# Altium PCB DemoCatV2.PcbDoc
Units mm, origin at the board's own origin, x right, y up, seen from the top; angles counter-clockwise.
Board outline 54 x 54 mm, 2 copper layers (Top Layer, Bottom Layer); 80 components, 79 nets, 366 pads, 240 vias.
Unrouted connection lines stored in the file: 70.
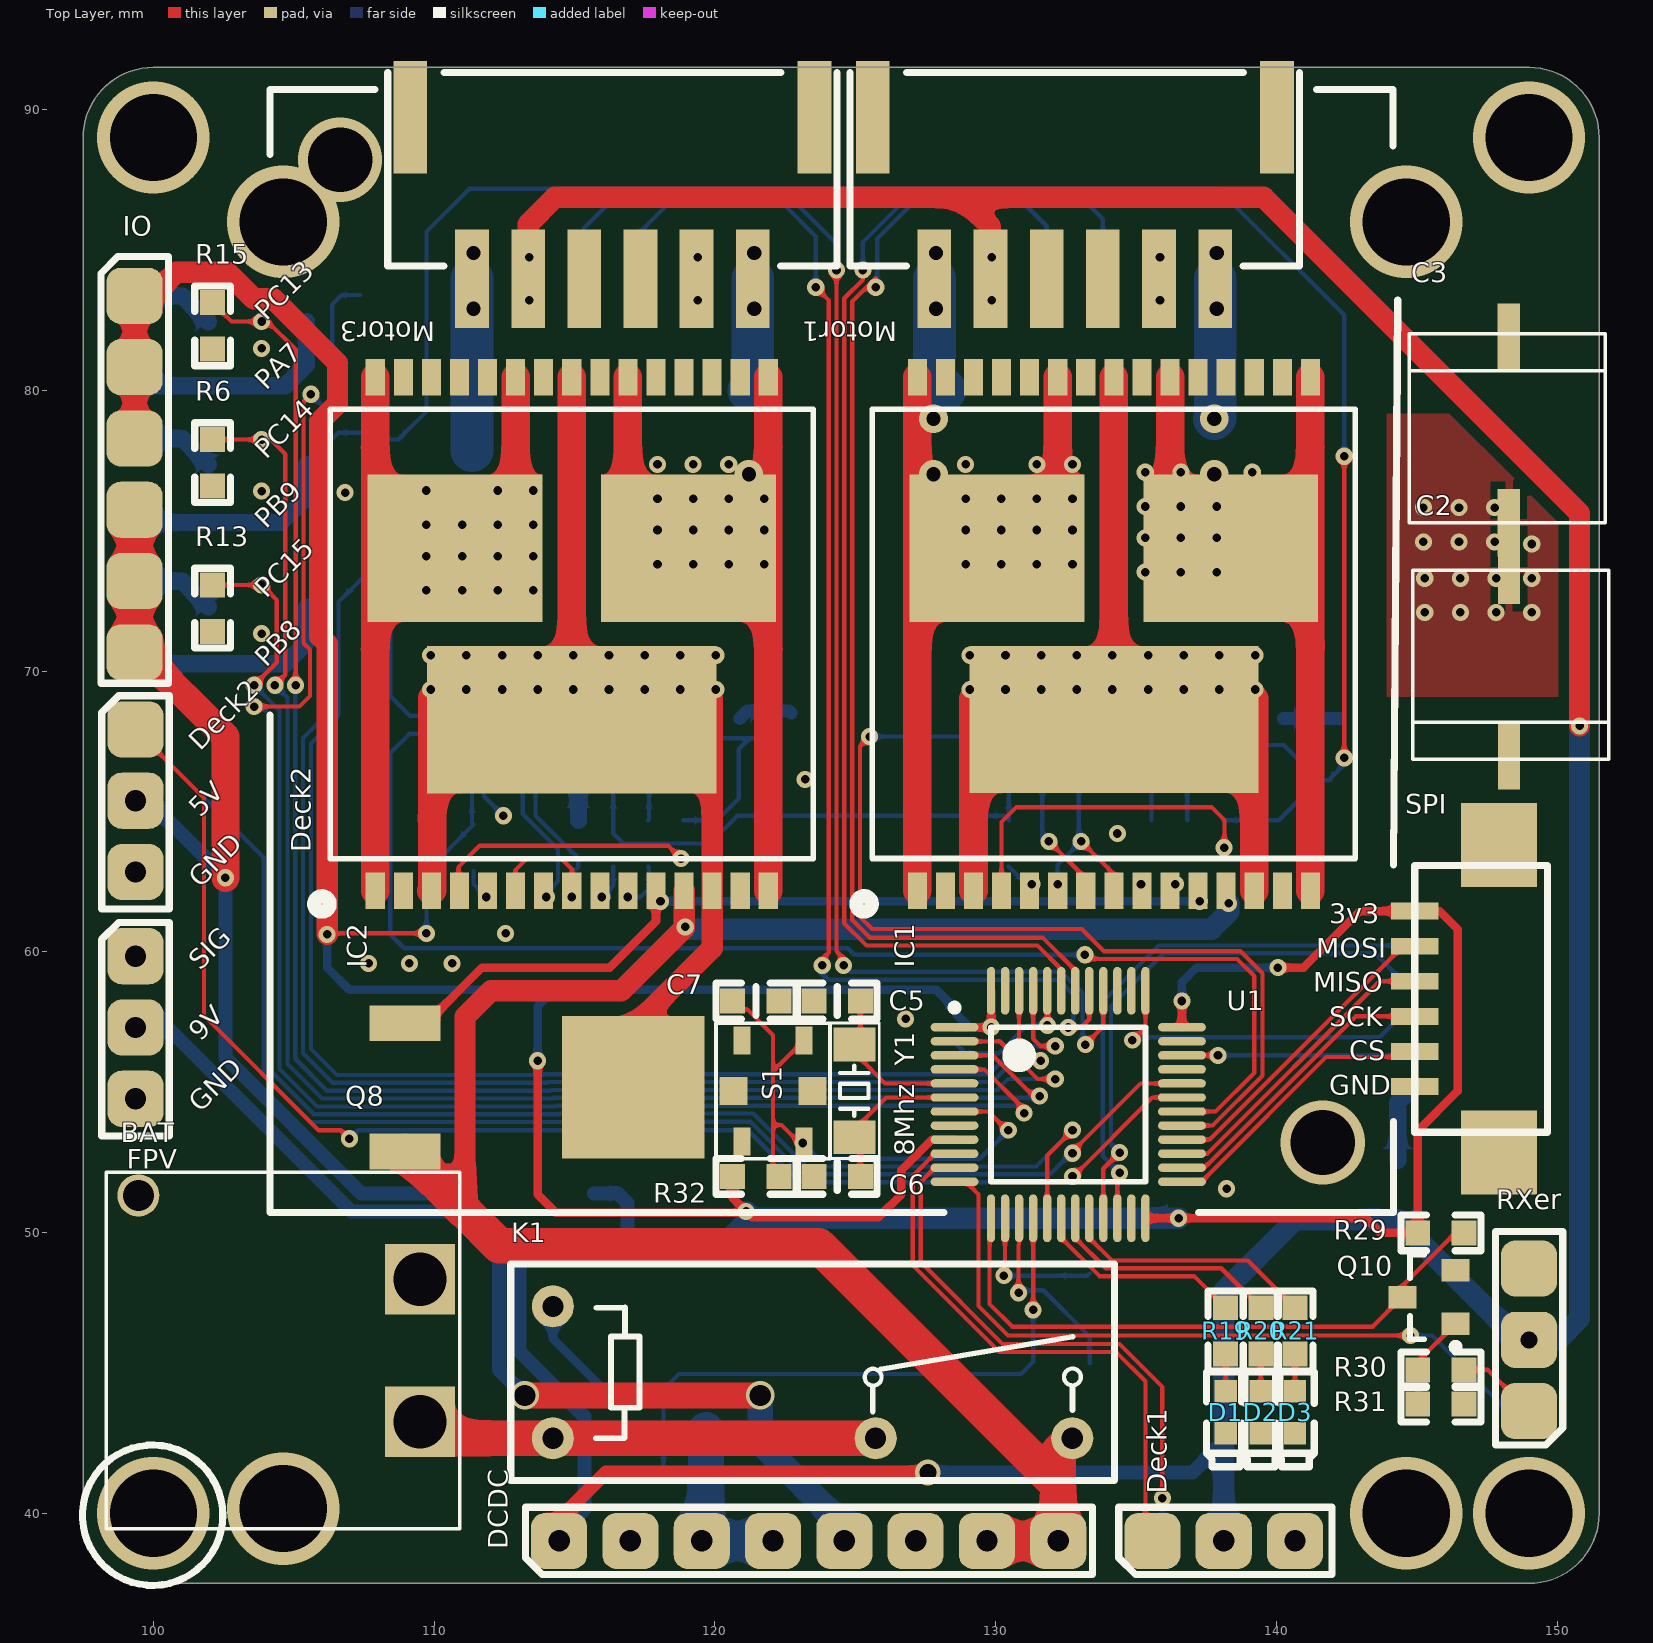
[diagram p0: Top Layer view]
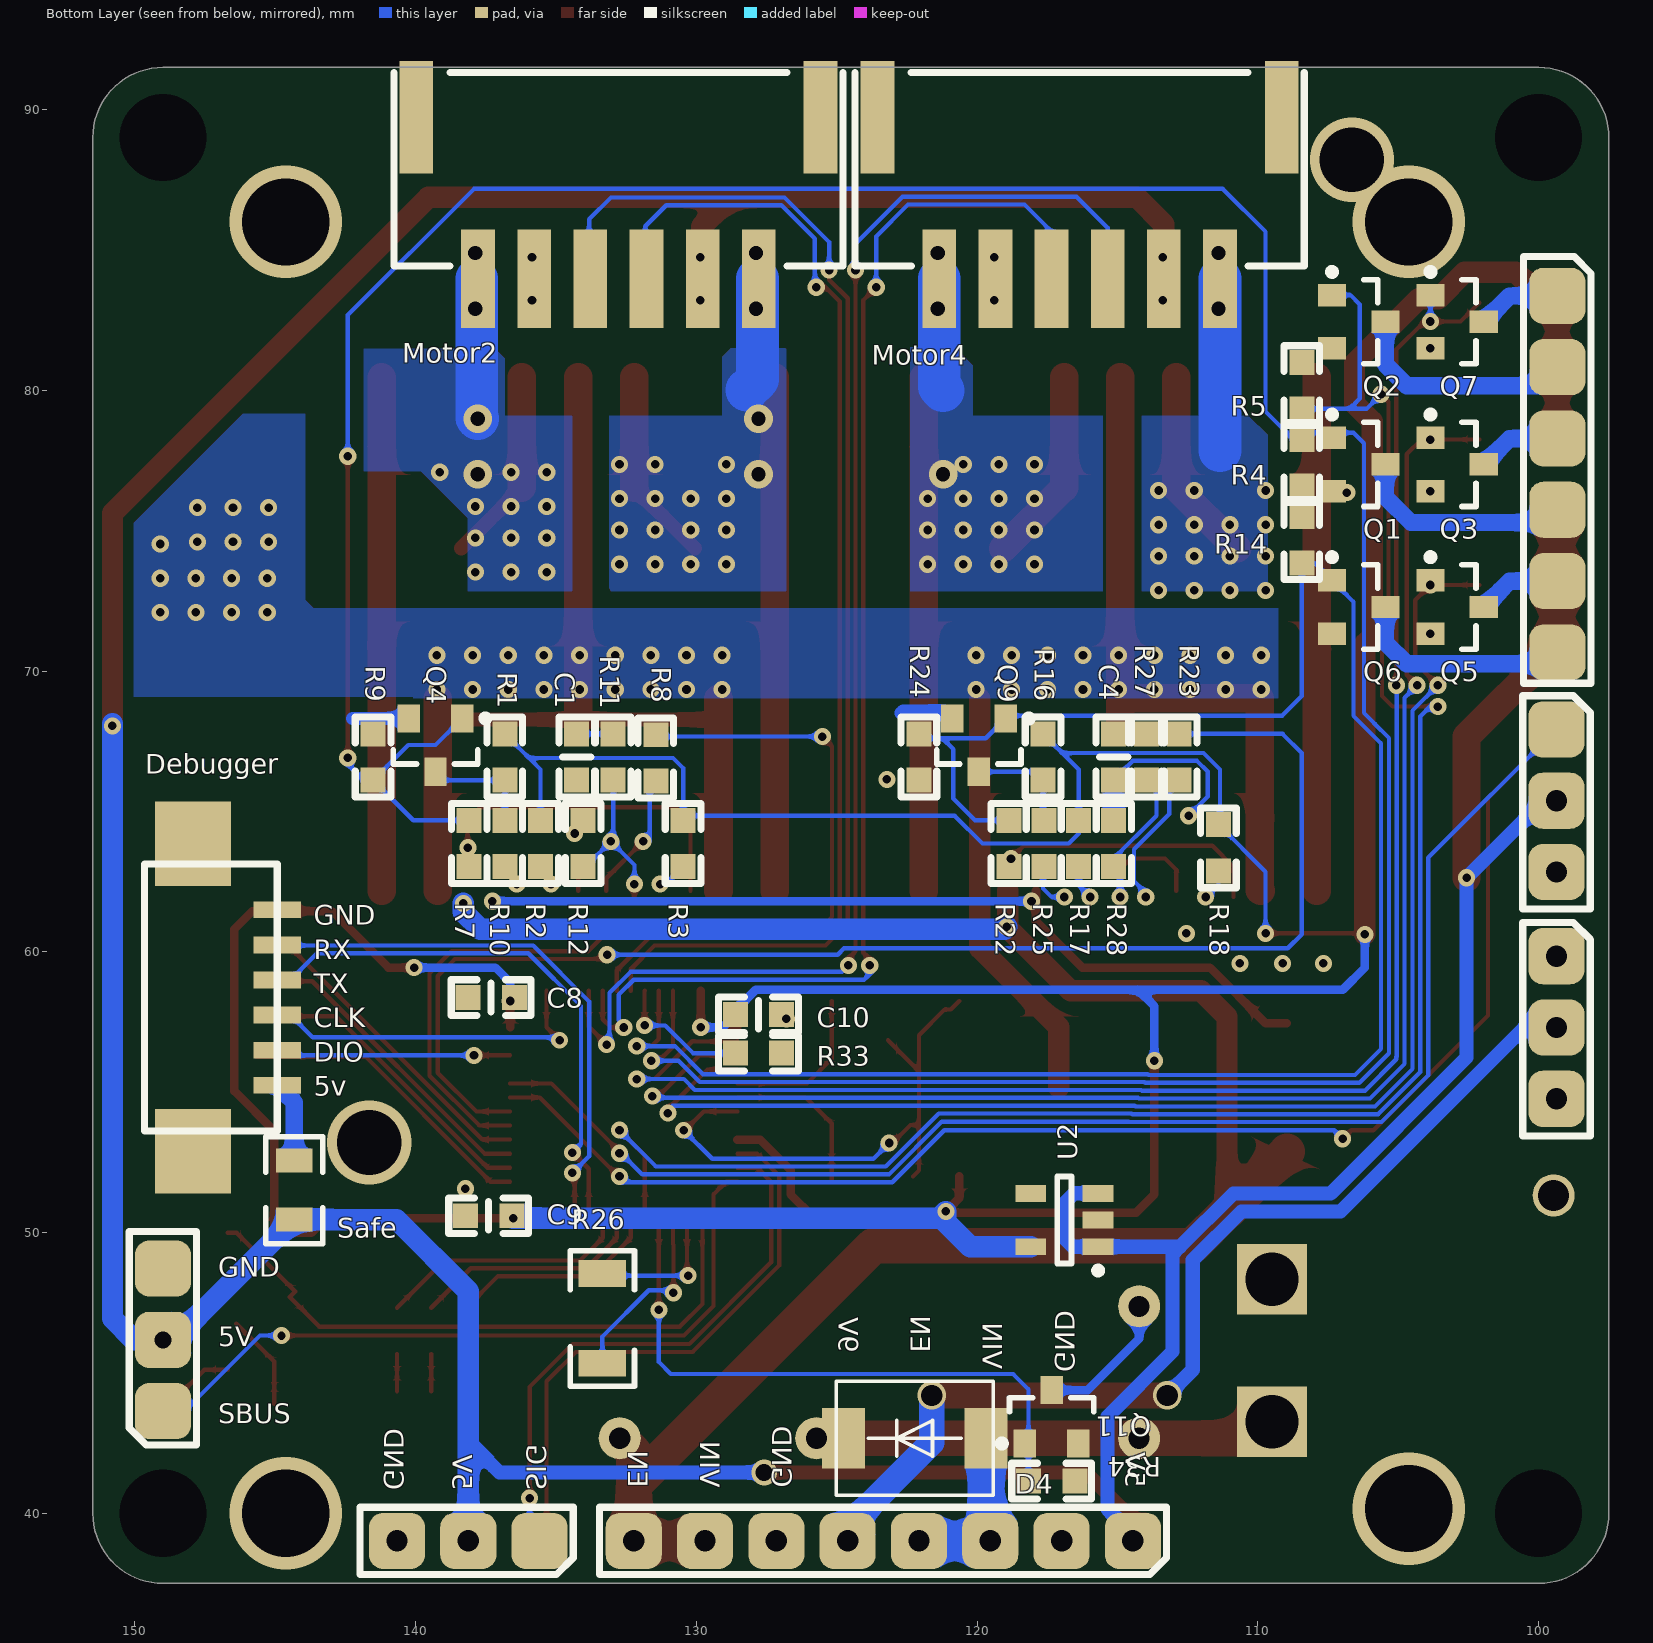
[diagram p1: Bottom Layer view, seen from below]
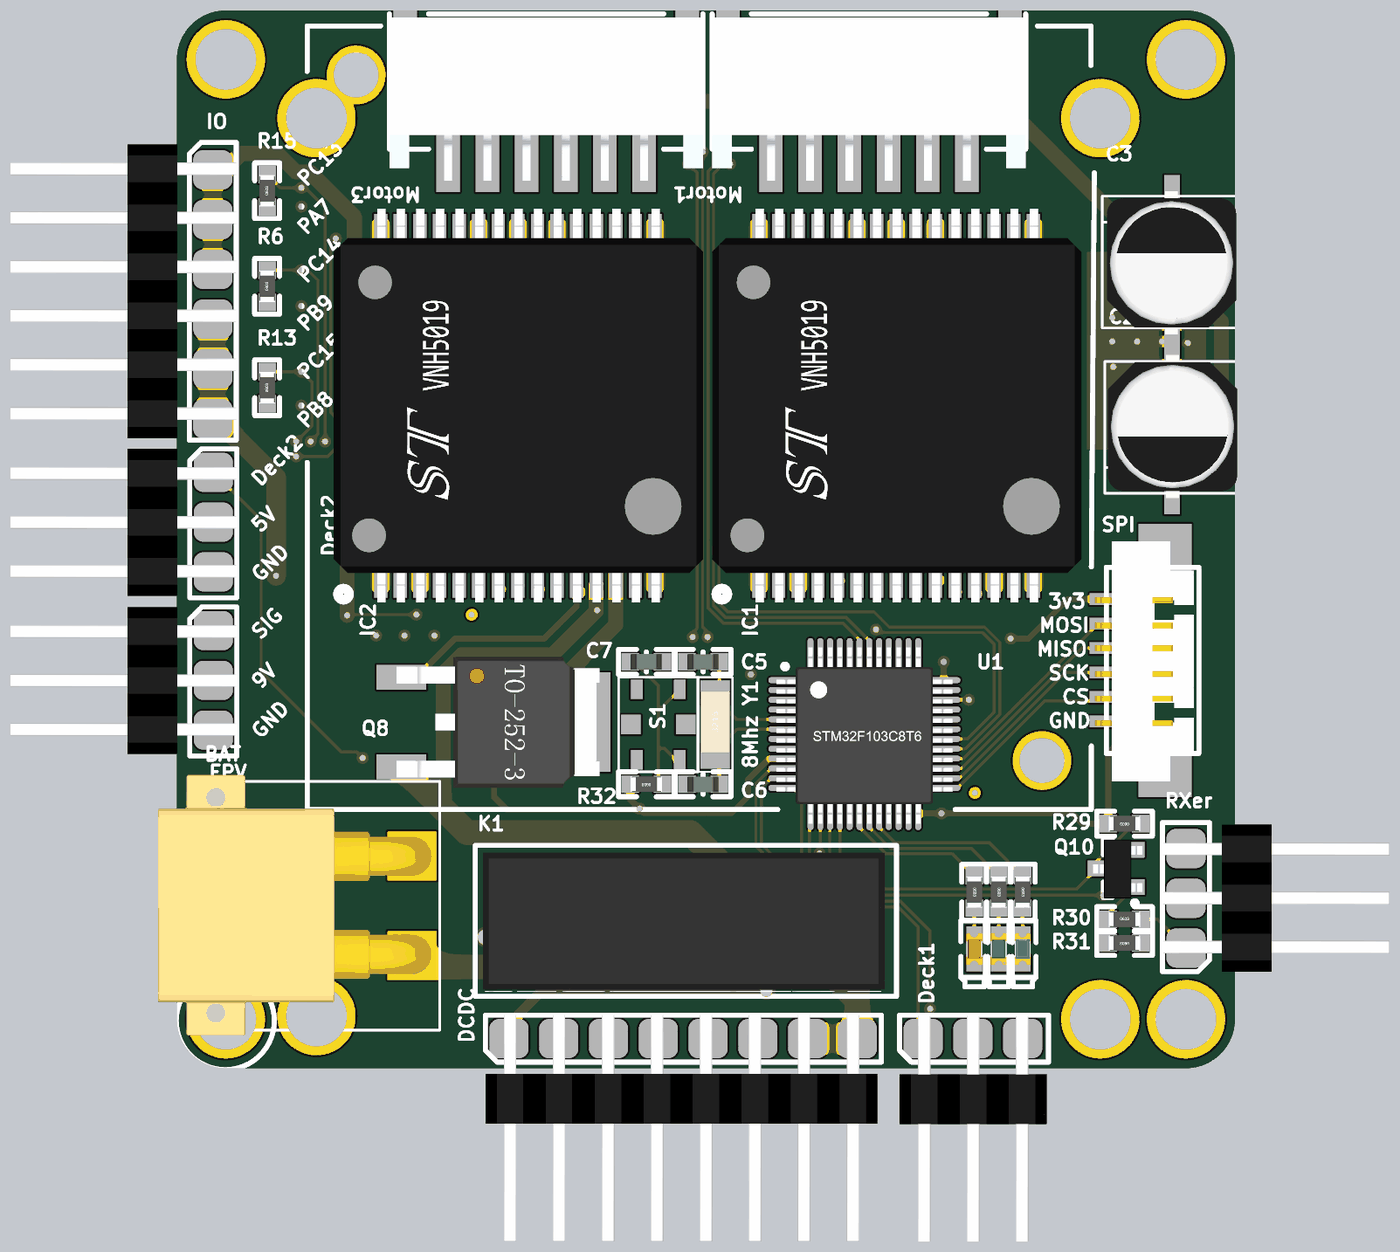
[diagram p2: 3D render of the assembled board from above, using the file's embedded part models]
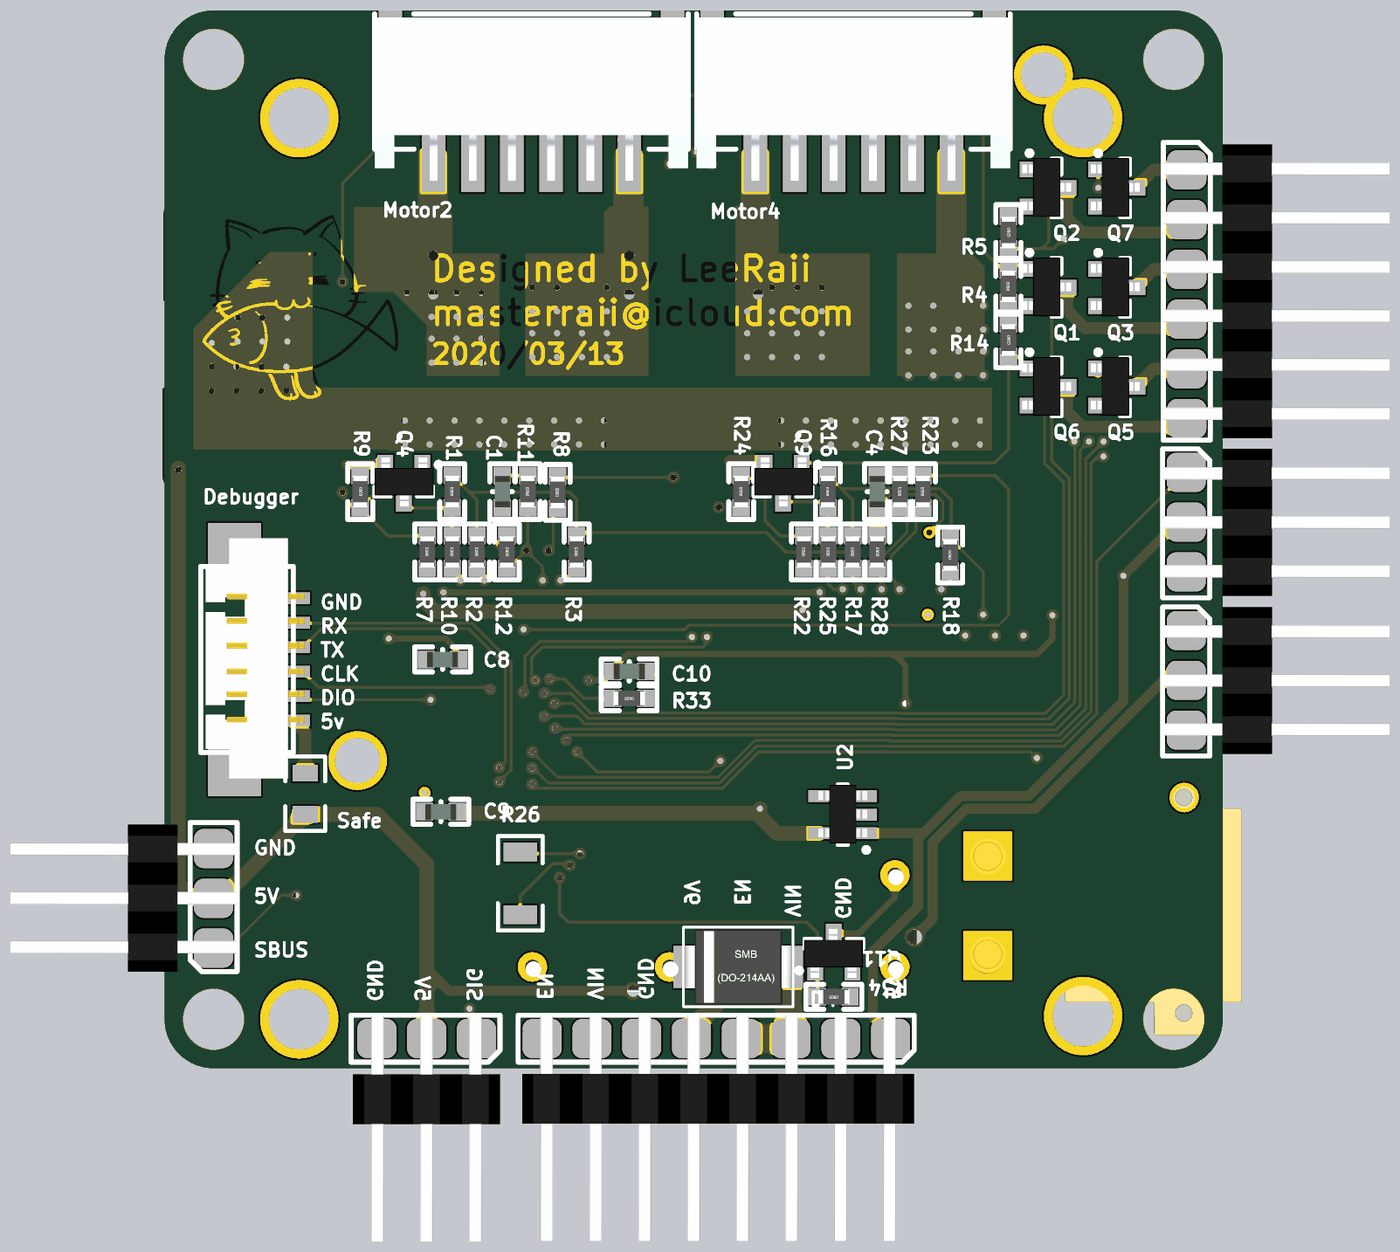
[diagram p3: 3D render of the assembled board from below, using the file's embedded part models]

## Layer stack, top to bottom
Top Solder: solder mask 0.0102, Solder Resist, Dk 3.5
Top Layer: signal copper 0.0356
Dielectric 1: dielectric 0.32, FR-4, Dk 4.8
Bottom Layer: signal copper 0.0356
Bottom Solder: solder mask 0.0102, Solder Resist, Dk 3.5

## Board outline
97.5,40 97.5,89 cw(c100,89) 100,91.5 149,91.5 cw(c149,89) 151.5,89 151.5,40 cw(c149,40) 149,37.5 100,37.5 cw(c100,40)

## Design rules (kind name [scope] priority, off if disabled: settings)
Clearance Clearance_1 [IsRegion] p1: gap=0.127 ignorepadtopadclearanceinfootprint=FALSE
Clearance [All] p2: gap=0.127 ignorepadtopadclearanceinfootprint=FALSE
PolygonConnect [IsVia vs IsVia] p1: connectstyle=Direct reliefconductorwidth=0.254 reliefentries=4 polygonreliefangle="90 Angle" airgapwidth=0.254
RoutingVias [All] p1: holewidth=0.3 width=0.6 viastyle="Through Hole" minholewidth=0.3 minwidth=0.6 maxholewidth=4 maxwidth=6
SolderMaskExpansion [All] p1: expansion=0.102
Width [All] p1: maxlimit=25.4 minlimit=0.127 preferedwidth=0.127
30 further rules are at their usual default settings.

## Components (designator, comment, footprint, x,y, rotation, side; value= is the part's Value field where it differs from the comment)
BAT "XT30" XT30-IN-W 109.499,45.796 r90 top
C1 "Cap" 0603C 134.264,66.935 r90 bottom value=33nF
C2 "Cap Pol1" 6.3*7.7-c 148.237,70.409 r270 top value=100pF
C3 "Cap Pol1" 6.3*7.7-c 148.336,78.461 r90 top value=100pF
C4 "Cap" 0603C 115.138,66.935 r90 bottom value=33nF
C5 "Cap" 0603C 124.358,58.246 r0 top value=20pF
C6 "Cap" 0603C 124.358,51.998 r0 top value=20pF
C7 "Cap" 0603C 121.463,58.246 r180 top value=100nF
C8 "Cap" 0603C 137.312,58.369 r180 bottom value=100nF
C9 "Cap" 0603C 137.401,50.597 r180 bottom value=100nF
C10 "Cap" 0603C 127.788,57.76 r0 bottom value=100nF
D1 "LED0" "0603LED - Red" 138.196,43.586 r270 top
D2 "LED0" "0603LED - Green" 139.446,43.586 r270 top
D3 "LED0" "0603LED - Blue" 140.665,43.586 r270 top
D4 "IN4148" DO-214AA(SMB) 122.225,42.672 r180 bottom
DCDC "Header 8X2A" HDR_EDGE_2x8 114.452,39.014 r90 top
Debugger "Header 6" GX1.25_T_6P 144.932,58.369 r90 bottom
Deck1 "Header 3X2A" HDR_EDGE_2x3 135.585,39.014 r90 top
Deck2 "Header 3X2A" HDR_EDGE_2x3 99.365,67.92 r0 top
FPV "Header 3X2A" HDR_EDGE_2x3 99.365,59.842 r0 top
IC1 "VNH5019A-E" VNH5019A-E_1 140.213,77.321 r0 top
IC2 "VNH5019A-E" VNH5019A-E_1 120.904,77.319 r0 top
IO "Header 6X2A" HDR_EDGE_2x6 99.335,83.363 r0 top
K1 "Relay" RY-HF46-HS1 114.23,47.372 r270 top
Motor1 "Header 6" PH-PS-2.0-6 124.821,91.321 r0 top
Motor2 "Header 6" PH-PS-2.0-6 140.778,91.322 r180 bottom
Motor3 "Header 6" PH-PS-2.0-6 108.35,91.322 r0 top
Motor4 "Header 6" PH-PS-2.0-6 124.35,91.322 r180 bottom
Q1 "AO3400" SOT-23-MOS 106.411,77.359 r180 bottom
Q2 "AO3400" SOT-23-MOS 106.411,82.439 r180 bottom
Q3 "AO3400" SOT-23-MOS 102.906,77.359 r180 bottom
Q4 "AO3400" SOT-23-MOS 139.294,67.361 r270 bottom
Q5 "AO3400" SOT-23-MOS 102.906,72.279 r180 bottom
Q6 "AO3400" SOT-23-MOS 106.411,72.279 r180 bottom
Q7 "AO3400" SOT-23-MOS 102.906,82.439 r180 bottom
Q8 "AO3400" TO-252-3 108.966,55.169 r270 top
Q9 "AO3400" SOT-23-MOS 119.939,67.361 r270 bottom
Q10 "SI2310" SOT-23-MOS 145.438,47.701 r180 top
Q11 "AO3400" SOT-23-MOS 117.348,43.434 r90 bottom
R1 "Res2" 0603R 136.823,66.935 r90 bottom value=1K
R2 "Res2" 0603R 135.553,63.856 r90 bottom value=3.3K
R3 "Res2" 0603R 130.473,63.856 r90 bottom value=3.3K
R4 "Res2" 0603R 108.438,77.419 r90 bottom value=1K
R5 "Res2" 0603R 108.438,80.162 r270 bottom value=1K
R6 "Res2" 0603R 102.108,77.419 r90 top value=1K
R7 "Res2" 0603R 138.093,63.856 r90 bottom value=1K
R8 "Res2" 0603R 131.445,66.904 r90 bottom value=1K
R9 "Res2" 0603R 141.516,66.935 r270 bottom value=1K
R10 "Res2" 0603R 136.823,63.856 r90 bottom value=1K
R11 "Res2" 0603R 132.964,66.935 r90 bottom value=10K
R12 "Res2" 0603R 134.036,63.856 r270 bottom value=1.5K
R13 "Res2" 0603R 102.108,72.238 r90 top value=1K
R14 "Res2" 0603R 108.438,74.676 r270 bottom value=1K
R15 "Res2" 0603R 102.108,82.296 r90 top value=1K
R16 "Res2" 0603R 117.653,66.935 r90 bottom value=1K
R17 "Res2" 0603R 116.383,63.856 r90 bottom value=3.3K
R18 "Res2" 0603R 111.404,63.703 r90 bottom value=3.3K
R19 "10K" 0603R 138.196,46.495 r270 top
R20 "10K" 0603R 139.446,46.495 r270 top
R21 "10K" 0603R 140.665,46.495 r270 top
R22 "Res2" 0603R 118.872,63.856 r90 bottom value=1K
R23 "Res2" 0603R 112.801,66.935 r90 bottom value=1K
R24 "Res2" 0603R 122.072,66.935 r90 bottom value=1K
R25 "Res2" 0603R 117.627,63.856 r90 bottom value=1K
R26 "10K" 1206R 133.35,46.939 r90 bottom
R27 "Res2" 0603R 113.97,66.935 r90 bottom value=10K
R28 "Res2" 0603R 115.138,63.856 r270 bottom value=1.5K
R29 "Res2" 0603R 145.863,49.987 r180 top value=1K
R30 "Res2" 0603R 145.863,45.11 r0 top value=1K
R31 "Res2" 0603R 145.863,43.891 r180 top value=1K
R32 "10K" 0603R 121.463,51.998 r180 top
R33 "Res2" 0603R 127.788,56.388 r0 bottom value=10K
R34 "Res2" 0603R 117.348,41.148 r0 bottom value=1K
RXer "Header 3X2A" HDR_EDGE_2x3 149,43.637 r180 top
S1 "SW-PB" KeySwitch-3X3 122.072,55.046 r270 top
Safe "Res2" 0805R 144.323,51.511 r90 bottom value=1A
SPI "Header 6" GX1.25_T_6P 144.932,58.323 r270 top
U1 "STM32F100C8T6B" LQFN-48 132.588,54.559 r0 top
U2 "RT9013-3.3" SOT-23-5 116.891,50.444 r0 bottom
Y1 "8Mhz" "OSC 3215-2P" 124.969,55.046 r90 top

## Footprints (in the part's own frame and the unit in brackets; to place one, negate y for a bottom-side part, rotate by r counter-clockwise, add the part's x,y. Pads: shape width x height; smd on the part's side, far side on the other; paste and mask are expansions set on the pad)
6.3*7.7-c [mm]
  rect 2.4x0.8 smd: 1(-3.175,0.051) 2(3.429,0.051)
  silkscreen extent -3.18,-3.38 3.56,3.61, body extent -3.5,-3.22 3.8,3.38, height 7.7
0603C [mil]
  rect 35x35 smd: 1(-32.5,0) 2(32.5,0)
  silkscreen extent -56,-25 56,25, body extent -31,-16 31,15, height 18
"0603LED - Blue" [mm]
  rect 0.8x0.8 smd: 1(-0.762,0) 2(0.738,0)
  silkscreen extent -1.45,-0.69 1.93,0.69, body extent -0.8,-0.4 0.8,0.4, height 0.6
"0603LED - Green" [mm]
  rect 0.8x0.8 smd: 1(-0.762,0) 2(0.738,0)
  silkscreen extent -1.45,-0.69 1.93,0.69, body extent -0.8,-0.4 0.8,0.4, height 0.6
"0603LED - Red" [mm]
  rect 0.8x0.8 smd: 1(-0.762,0) 2(0.738,0)
  silkscreen extent -1.45,-0.69 1.93,0.69, body extent -0.8,-0.4 0.8,0.4, height 0.6
0603R [mil]
  rect 35x35 smd: 1(-32.5,0) 2(32.5,0)
  silkscreen extent -56,-25 56,25, body extent -31,-16 31,16, height 16
0805R [mm] "Chip Resistor, 2-Leads, Body 2.00x1.25mm, IPC Medium Density"
  rect 0.85x1.3 smd: 1(-1.05,0) 2(1.05,0)
  silkscreen extent -1.91,-1.02 1.91,1.02, body extent -1,-0.63 1,0.63, height 0.5
1206R [mm] "Chip Resistor, 2-Leads, Body 3.20x1.60mm, IPC Medium Density"
  rect 0.95x1.7 smd: 1(-1.6,0) 2(1.6,0)
  silkscreen extent -2.41,-1.14 2.41,1.14, body extent -1.6,-0.8 1.6,0.8, height 0.55
DO-214AA(SMB) [mil]
  rect 60x85 smd: 1(-100,0) 2(100,0)
  silkscreen extent -110,-80 110,80, body extent -108,-77 108,77, height 96
GX1.25_T_6P [mm]
  rect 3x2.7 smd: 0(-5.475,3) 0(5.475,3)
  rect 0.6x1.7 smd: 1(-3.125,0) 2(-1.875,0) 3(-0.625,0) 4(0.625,0) 5(1.875,0) 6(3.125,0)
  silkscreen extent -4.75,0 4.75,4.72, body extent -6.07,-0.58 6.18,4.47, height 3.71
HDR_EDGE_2x3 [mm]
  rrect50% 2x2 smd: 1(0,0) 2(0,-2.54) 3(0,-5.08)
  rrect50% 2x2 smd far side: 4(0,0) 5(0,-2.54) 6(0,-5.08)
  silkscreen extent -1.2,-6.4 1.2,1.2, body extent -10.37,-6.3 1.17,1.2, height 2.5
HDR_EDGE_2x6 [mm]
  rrect50% 2x2 smd: 1(0,0) 2(0,-2.54) 3(0,-5.08) 4(0,-7.62) 5(0,-10.16) 6(0,-12.7)
  rrect50% 2x2 smd far side: 7(0,0) 8(0,-2.54) 9(0,-5.08) 10(0,-7.62) 11(0,-10.16) 12(0,-12.7)
  silkscreen extent -1.2,-13.8 1.2,1.4, body extent -10.34,-13.7 1.2,1.3, height 2.5
HDR_EDGE_2x8 [mm]
  rrect50% 2x2 smd: 1(0,0) 2(0,-2.54) 3(0,-5.08) 4(0,-7.62) 5(0,-10.16) 6(0,-12.7) 7(0,-15.24) 8(0,-17.78)
  rrect50% 2x2 smd far side: 9(0,0) 10(0,-2.54) 11(0,-5.08) 12(0,-7.62) 13(0,-10.16) 14(0,-12.7) 15(0,-15.24) 16(0,-17.78)
  silkscreen extent -1.2,-19 1.2,1.2, body extent -10.34,-18.8 1.2,1.2, height 2.5
KeySwitch-3X3 [mm]
  rect 1x0.6 smd: 1(-1.8,1.1) 1(1.8,1.1) 2(-1.8,-1.1) 2(1.8,-1.1)
  rect 1x1 smd: 3(0,1.4) 3(0,-1.4)
  silkscreen extent -2.41,-2.03 2.41,2.03, body extent -2.06,-1.65 2.06,1.65, height 1.3
LQFN-48 [mm]
  oval 1.7x0.3 smd: 1(-4.05,2.75) 2(-4.05,2.25) 3(-4.05,1.75) 4(-4.05,1.25) 5(-4.05,0.75) 6(-4.05,0.25) 7(-4.05,-0.25) 8(-4.05,-0.75) 9(-4.05,-1.25) 10(-4.05,-1.75) 11(-4.05,-2.25) 12(-4.05,-2.75) 25(4.05,-2.75) 26(4.05,-2.25) 27(4.05,-1.75) 28(4.05,-1.25) 29(4.05,-0.75) 30(4.05,-0.25) 31(4.05,0.25) 32(4.05,0.75) 33(4.05,1.25) 34(4.05,1.75) 35(4.05,2.25) 36(4.05,2.75)
  oval 0.3x1.7 smd: 13(-2.75,-4.05) 14(-2.25,-4.05) 15(-1.75,-4.05) 16(-1.25,-4.05) 17(-0.75,-4.05) 18(-0.25,-4.05) 19(0.25,-4.05) 20(0.75,-4.05) 21(1.25,-4.05) 22(1.75,-4.05) 23(2.25,-4.05) 24(2.75,-4.05) 37(2.75,4.05) 38(2.25,4.05) 39(1.75,4.05) 40(1.25,4.05) 41(0.75,4.05) 42(0.25,4.05) 43(-0.25,4.05) 44(-0.75,4.05) 45(-1.25,4.05) 46(-1.75,4.05) 47(-2.25,4.05) 48(-2.75,4.05)
  silkscreen extent -4.17,-2.75 2.75,3.57, body extent -4.5,-4.58 4.5,4.42, height 1.6
"OSC 3215-2P" [mm]
  rect 1.2x1.5 smd: 1(-1.65,0) 2(1.65,0)
  silkscreen extent -2.41,-0.89 2.41,0.89, body extent -1.47,-0.76 1.73,0.74, height 0.61
PH-PS-2.0-6 [mm]
  rect 1.2x4 smd: 0(0.8,-1.6) 0(15.2,-1.6)
  rect 1.2x3.5 smd: 1(3,-7.35) 2(5,-7.35) 3(7,-7.35) 4(9,-7.35) 5(11,-7.35) 6(13,-7.35)
  silkscreen extent 0,-6.9 16,0, body extent 0,-8.51 16,-0.18, height 15.3
RY-HF46-HS1 [mm]
  round 1.5 hole 0.75: 2(4.7,18.5) 3(4.7,11.5) 4(0,0) 5(4.7,0)
  silkscreen extent -1.5,-1.5 6.2,20, body extent -1.13,-1.11 5.97,19.39, height 15.3
SOT-23-5 [mm] "SOT23, 5-Leads, Body 2.90x2.80mm, Pitch 0.95mm, IPC Medium Density"